# KiCad board JumperlessV5r7.kicad_pcb (continued)
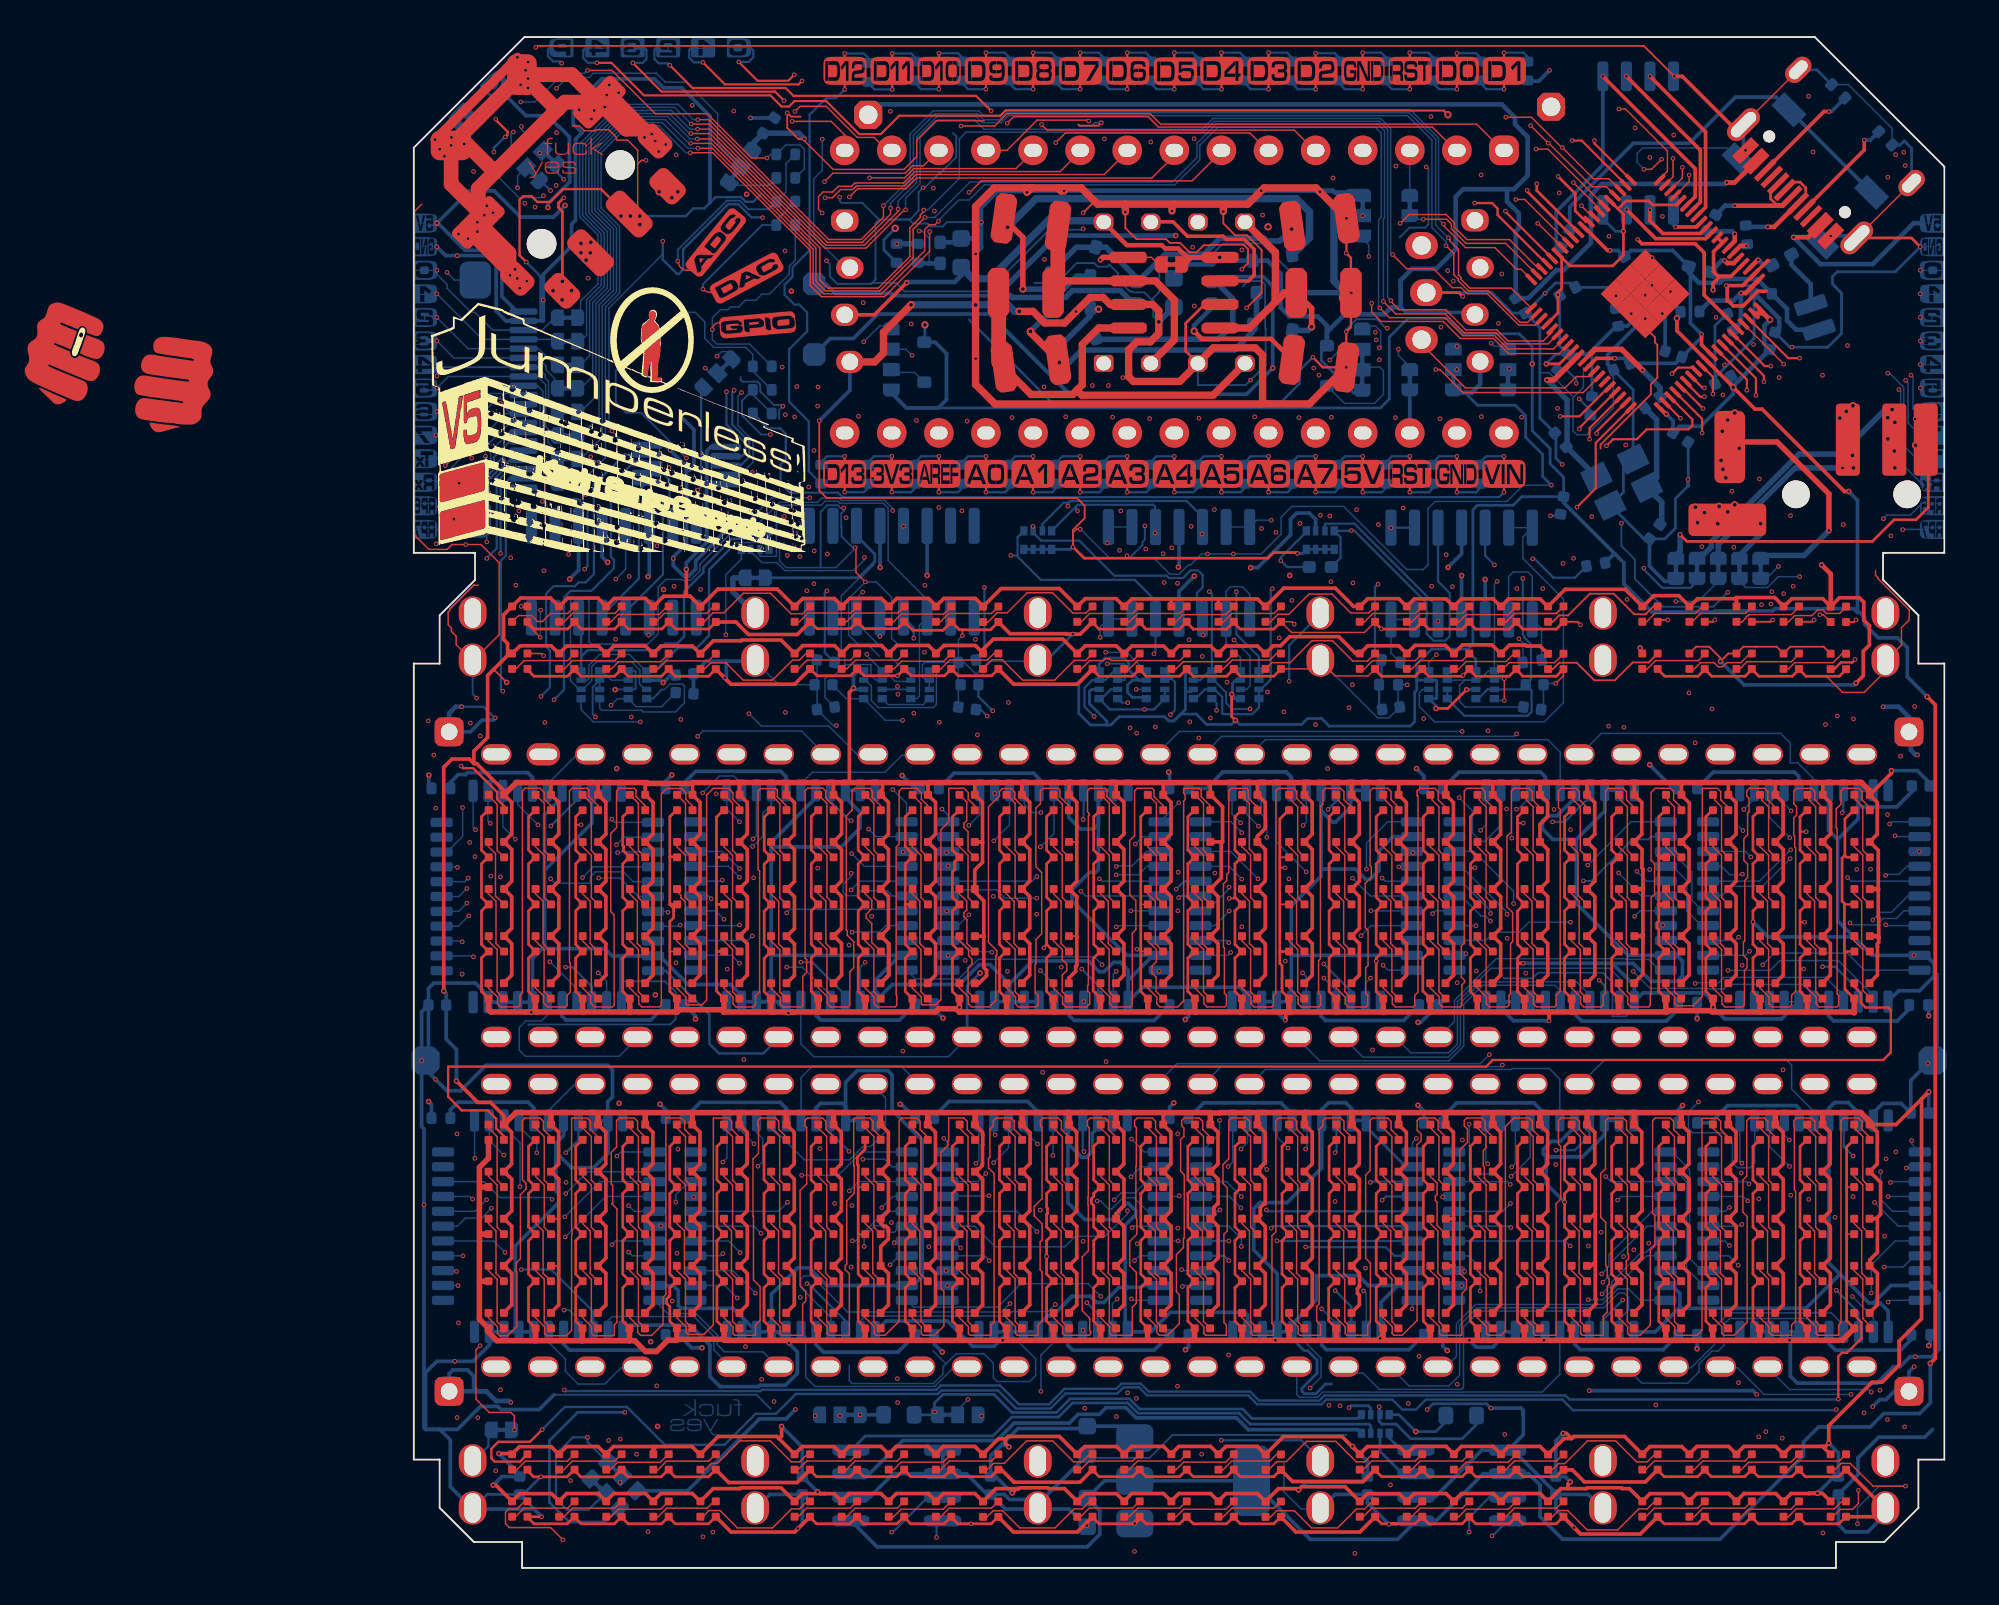
[diagram p0: board, top side]
## Routing (per net, layer and track width the routed paths; a pad name or vN(x,y) marks a point on that pad's centre or on a via; arc(x,y) is an arc through that point) (continued)
+9V: length 297.3
  In1.Cu w0.2: v2(57.79,53.3) 57.13,53.95 v2(55.78,53.95) 55.77,53.94 v2(45.14,53.94) 41.27,53.94 v2(41.24,53.97) 41.22,53.95 v2(25.15,53.95) 25.11,53.91 24.75,53.91 24.64,53.8 15.16,53.8 14.85,53.5 14.57,53.5 14.26,53.8 12.83,53.8 12.41,54.23 v2(10.45,54.23) ; v2(66.66,43.32) 66.66,43.29 66.12,42.76 54.43,42.76 v2(54.08,43.11) 53.73,42.76 40.87,42.76 v2(40.72,42.91) 40.52,42.71 26.36,42.71 v2(26.34,42.73) 26.21,42.6 14.07,42.6 v2(13.92,42.76) 13.79,42.63 11.42,42.63 v2(10.94,43.11) 9.91,42.07 1.49,42.07 v2(0.81,42.75) ; v2(0.8,25.15) 1.02,24.92 10.95,24.92 v2(11.08,25.05) 11.2,24.92 13.21,24.92 v2(13.28,25) 13.34,24.94 26.18,24.94 v2(26.24,25) 26.3,24.94 40.86,24.94 v2(41,25.08) 41.2,24.87 54.09,24.87 v2(54.16,24.95) 54.29,24.82 68.32,24.82 v2(68.43,24.94)
  In1.Cu w0.3: v2(41.1,71.85) 41.21,71.73 45.49,71.73 v3(46.08,72.32)
  In2.Cu w0.2: v2(11.08,25.05) 11.02,25.11 11.02,38.15 11.35,38.48 11.35,42.7 v2(10.94,43.11) 11,43.16 11,47 11.27,47.28 11.27,53.46 10.5,54.23 v2(10.45,54.23) ; v2(45.14,53.94) 45.03,54.04 45.03,62.62 45.92,63.5 45.92,72.17 v3(46.08,72.32)
  Bottom w0.2: R64.1 26.31,25 v2(26.24,25) ; v2(0.8,25.15) 0.95,24.99 R59.1 ; U1807.4 25.15,53.95 v2(25.15,53.95) ; v2(41,25.08) 40.77,24.85 R65.1 ; v2(54.08,43.11) 54.48,42.71 R56.1 ; TP5.1 22.22,69.24 22.73,68.73 25.75,68.73 25.87,68.6 31.43,68.6 31.45,68.62 ; R61.1 54.48,24.63 v2(54.16,24.95) ; R62.1 68.2,24.7 v2(68.43,24.94) ; v2(26.34,42.73) 27.03,42.04 R63.1 ; v2(10.45,54.23) 10.16,54.52 U10.4 ; v2(45.14,53.94) 45.52,53.94 47.29,55.7 47.29,56.55 47.62,56.88 48.3,56.88 48.65,56.54 RN15.6 ; R21.1 0.81,42.18 v2(0.81,42.75) ; v2(13.28,25) 13.59,24.7 R60.1 ; v2(13.92,42.76) 13.59,42.42 R55.1 ; R58.1 67.93,42.04 66.66,43.31 v2(66.66,43.32) ; v2(40.72,42.91) 40.77,42.86 R66.1 ; v2(55.78,53.95) 56.52,54.69 U7.4 ; U11.4 41.28,54 v2(41.24,53.97) ; U7.10 v2(57.79,53.3)
  Bottom w0.25: D7.1 34.74,71.85 v2(41.1,71.85)
  Bottom w0.3: D7.1 34.64,71.81 31.45,68.62 32.16,68.62 32.26,68.51 35.15,68.51 35.53,68.88 38.11,68.88 38.61,68.38 38.83,68.38 JP22.1
+9V_A: length 5.8
  Bottom w0.2: R21.2 1.97,42.36 2.4,42.78 2.79,42.78 2.9,42.88 6.15,42.88 6.4,42.63 A2.38
+9V_B: length 6.9
  Bottom w0.2: B1.38 20.08,42.67 19.79,42.96 15.21,42.96 14.61,42.36 R55.2
+9V_C: length 6.7
  Bottom w0.2: C26.38 61.03,42.66 60.78,42.91 56.38,42.91 R56.2
+9V_D: length 6.7
  Bottom w0.2: 74.7,41.94 74.7,42.68 74.47,42.91 70.09,42.91 R58.2
+9V_E: length 5.9
  Bottom w0.2: E1.38 6.48,24.8 6.16,25.11 2.39,25.11 1.97,24.7 R59.2
+9V_F: length 6.6
  Bottom w0.2: R60.2 15.45,25.1 19.77,25.1 20.09,24.78 F5.38
+9V_G: length 6.7
  Bottom w0.2: G1.38 61.01,24.48 60.41,25.08 56.26,25.08 55.5,24.32 R61.2
+9V_H: length 6.6
  Bottom w0.2: R62.2 69.93,24 70.86,24.93 74.56,24.93 74.72,24.77 H1.38
+9V_I: length 6.5
  Bottom w0.2: R63.2 29.14,42.86 33.43,42.86 33.73,42.55 I1.38
+9V_J: length 6.7
  Bottom w0.2: R64.2 28.07,24.35 28.87,25.15 33.11,25.15 33.68,24.58 J6.38
+9V_K: length 6.5
  Bottom w0.2: R65.2 42.61,25.08 46.77,25.08 47.37,24.48 K1.38
+9V_L: length 6.7
  Bottom w0.2: L1.38 47.33,42.64 47.05,42.92 43.64,42.92 42.76,42.04 R66.2
-9V: length 313.5
  In1.Cu w0.2: v2(81.71,29.77) 69.36,29.77 v2(69.22,29.62) 68.94,29.9 54.64,29.9 v2(54.16,29.42) 53.69,29.9 41.93,29.9 v2(41.61,29.57) 41.3,29.88 28.78,29.88 v2(28.55,29.65) 28.37,29.47 15.32,29.47 v2(15.19,29.6) 13.89,30.9 v2(13.03,30.9) ; v2(12.78,12.2) 12.98,12.4 15.06,12.4 15.55,11.92 v2(15.55,11.87) 15.6,11.87 16.31,12.58 27.57,12.58 v2(28.51,11.64) 28.76,11.89 41.5,11.89 v2(41.62,11.77) 41.77,11.92 55.54,11.92 v2(55.75,11.72) 55.9,11.87 69.17,11.87 v2(69.22,11.82) 69.26,11.87 81.59,11.87 v2(81.71,11.99) ; v2(56.51,53.52) v2(47.24,53.52) 42.13,53.52 v2(42.1,53.48) 42.06,53.52 v2(27.69,53.52) 24.57,53.52 24.57,53.52 24.13,53.52 24.01,53.4 15.15,53.4 14.96,53.21 14.44,53.21 14.25,53.4 12.69,53.4 v2(12.63,53.45)
  In2.Cu w0.2: 13.09,31.4 13.11,31.42 13.11,41.73 13.21,41.83 13.21,44.53 13.11,44.63 13.11,52.98 v2(12.63,53.45) ; 13.09,31.4 13.09,25.44 12.78,25.13 v2(12.78,12.2) ; 13.09,31.4 13.09,30.96 v2(13.03,30.9) 13.04,30.9 ; v2(46.33,64.7) 46.33,64.02 47.29,63.06 47.29,53.56 v2(47.24,53.52)
  Bottom w0.2: JP21.2 43.38,69.63 45.82,69.63 46.33,69.12 v2(46.33,64.7) 44.92,63.29 35.37,63.29 ; v2(41.62,11.77) 41.79,11.93 R76.2 ; R74.2 81.79,12.07 v2(81.71,11.99) ; R77.2 55.5,11.96 v2(55.75,11.72) ; v2(42.1,53.48) 41.28,52.66 U11.11 ; R68.2 28.07,30.13 v2(28.55,29.65) ; U10.6 12.7,53.52 v2(12.63,53.45) ; 35.37,63.29 31.04,67.62 25.03,67.62 23.71,66.3 22.46,66.3 TP6.1 ; 35.37,63.29 31.07,67.59 ; R70.2 81.71,30.32 v2(81.71,29.77) ; R73.2 69.22,11.82 v2(69.22,11.82) ; R69.2 69.22,29.63 v2(69.22,29.62) ; R75.2 41.79,29.75 v2(41.61,29.57) ; v2(15.19,29.6) 15.19,29.77 R67.2 ; U1807.6 v2(27.69,53.52) ; R72.2 28.07,12.08 v2(28.51,11.64) ; R78.2 54.32,29.42 v2(54.16,29.42) ; v2(15.55,11.87) 14.99,11.87 14.61,12.25 R71.2 ; U7.11 v2(56.52,53.52)
  Bottom w0.3: JP21.2 43.33,69.28 44.17,68.44 44.17,67.04 43.39,66.26 36.85,66.26 D4.2 36.65,66.33
-9V_A: length 6.8
  Bottom w0.2: R67.1 12.78,29.54 8.21,29.54 8,29.75 A2.16
-9V_B: length 6.6
  Bottom w0.2: R68.1 26.19,29.54 21.95,29.54 21.68,29.81 B1.16
-9V_C: length 7
  Bottom w0.2: R69.1 68.2,30.13 67.55,29.48 63,29.48 62.63,29.85 C26.16
-9V_D: length 5.7
  Bottom w0.2: R70.1 80.66,30.15 80.01,29.5 76.58,29.5 76.3,29.78 76.3,30.54
-9V_E: length 6.9
  Bottom w0.2: R71.1 13.59,12.16 13.17,11.74 8.41,11.74 8.08,12.07 E1.16
-9V_F: length 6.6
  Bottom w0.2: R72.1 26.11,11.63 22.11,11.63 21.69,12.05 F5.16
-9V_G: length 6.7
  Bottom w0.2: G1.16 62.61,12.07 62.92,11.77 67.39,11.77 R73.1
-9V_H: length 5.7
  Bottom w0.2: H1.16 76.32,12.1 76.68,11.74 80.19,11.74 80.77,12.32 R74.1
-9V_I: length 6.6
  Bottom w0.2: I1.16 35.33,29.8 35.61,29.52 39.93,29.52 R75.1
-9V_J: length 6.7
  Bottom w0.2: J6.16 35.28,12 35.53,11.74 39.93,11.74 R76.1
-9V_K: length 6.7
  Bottom w0.2: R77.1 53.68,11.77 49.23,11.77 48.97,12.02 K1.16
-9V_L: length 6.5
  Bottom w0.2: L1.16 48.93,29.76 49.17,29.52 53.4,29.52 R78.1
GND: length 3652.4
  Top w0.08: 3.48,52.99 3.23,52.99 1.94,51.71 ; v1(47.49,50.89) 47.36,51.02 D1625.3 47.35,50.44 51.27,50.44 D1626.3 ; v1(6.82,50.18) 6.13,50.88 D1611.3 ; 0.43,73.54 0.04,73.15 0.04,55.7 0.81,54.92 1.8,54.92 2.07,55.19 v1(2.8,55.19) 3.62,55.19 4.6,54.21 4.6,50.32 3.18,48.9 2.29,49.78 2.29,50.25 2.03,50.5 2.03,50.68 1.85,50.86 1.85,51.54 1.94,51.63 1.94,51.71 ; 1.94,51.71 3.25,53.02 ; D1650.3 48.48,48.48 48.9,48.9 49.69,48.1 51.47,48.1 D1651.3 ; 58.89,48.08 58.8,48.08 58.8,47.96 v1(58.82,47.95) v1(58.82,46.78) ; 12.08,75.7 12.08,73.02 v3(12.19,72.9) ; 12.08,75.7 12.08,76.45 11.53,76.99 10.97,76.99 10.92,77.05 10.92,77.15 10.52,77.55 9.83,77.55 9.77,77.5 9.2,77.5 8.94,77.76 8.56,77.76 ; 12.08,75.7 12.28,75.9 v1(12.52,75.9) ; v1(24.36,53.17) 23.85,53.68 23.85,54.98 v1(23.81,55.02) ; 30.76,78.04 28.17,78.04 27.13,76.99 27.13,76.11 26.44,75.41 22.62,75.41 21.07,76.97 v1(21.07,77.07) ; 39.21,35.77 39.22,35.78 D1153.3 ; 77.28,20.51 77.31,20.54 D1602.3 ; 23.97,18.03 24,18 D1393.3 ; 23.97,20.51 24,20.54 D1392.3 ; D1154.3 39.23,33.24 39.21,33.26 ; D1603.3 77.3,18 77.28,18.02 ; D1655.3 62.01,48.12 v1(61.59,47.69) ; 76.19,48.08 77.06,47.21 78.22,47.21 79.38,48.36 79.38,48.9 80.24,49.76 80.24,50.71 80.66,51.12 80.66,51.66 78.98,53.33 78.98,53.39 78.84,53.53 78.84,53.78 ; J2.S1 J2.S1 ; v1(66.35,75.42) 66.76,75.42 v1(67.3,75.96) ; D1152.3 39.29,38.32 39.21,38.24 ; D1054.3 13.81,33.24 ; J2.S1 J2.S1 ; v1(29.59,50.27) 29.59,50.59 ; v1(35.55,55.06) 35.55,55.82 35.75,56.02 v1(35.94,56.02) ; D1604.3 77.29,15.46 77.28,15.45
  Top w0.1: v1(46.99,37.75) 46.98,37.76 46.71,37.76 ; v1(6.58,82) 6.65,82.07 66.35,82.07 v1(67.99,80.43) ; 35.84,77.83 35.9,77.77 36.92,77.77 v1(37.08,77.93) ; 34.13,33.63 33.98,33.48 v1(33.98,33.43) ; v1(44.92,67.95) 45.73,68.76 45.73,71.07 44.94,71.86 44.3,71.86 43.66,72.5 v1(43.66,73.14) ; 46.71,38.29 46.73,38.32 D1182.3 ; v1(75.01,34.82) 74.78,34.82 74.77,34.83 ; v1(59.84,40.16) 59.54,40.16 59.53,40.15 ; 20.86,78.26 20.36,78.26 20.15,78.47 v1(20.14,78.47) 20.14,77.66 20.75,77.05 21.05,77.05 v1(21.07,77.07) ; v1(39.02,17.48) 39.18,17.48 39.21,17.51 ; 64.01,60.36 64.01,60.57 66.73,63.29 66.73,63.83 67.07,64.18 67.07,65.96 66.95,66.08 66.95,66.36 66.42,66.89 v1(66.42,67.36) ; v1(21.87,61.86) 21.87,58.1 22.27,57.7 35.76,57.7 36.19,57.27 36.19,56.61 35.55,55.97 v1(35.55,55.06) ; 8.73,40.1 8.76,40.07 v1(9.02,40.07) ; v1(70.17,51.12) 70.07,51.02 D1632.3 ; D1635.3 77.68,51.01 v1(77.79,51.12) ; D1630.3 62.77,51.02 v1(62.93,50.86) ; v1(73.3,51.12) 73.19,51.02 D1633.3 ; v1(43.98,36.1) 44.23,36.1 44.29,36.17 ; 56.99,37.73 57.2,37.73 v1(57.23,37.76) ; v1(36.1,73.08) 36.57,73.54 36.88,73.54 ; v1(75.53,51.12) 75.43,51.02 D1634.3 ; v1(75.1,39.7) 74.77,39.7 ; v1(74.97,32.3) 74.78,32.3 74.77,32.29 ; v1(38.38,73.12) 38.38,72.25 38.97,71.66 40.57,71.66 40.78,71.45 41.34,71.45 41.84,70.94 42.22,70.94 42.61,71.33 42.94,71.33 42.96,71.35 44.76,71.35 44.99,71.12 44.99,70.36 v1(44.66,70.03) ; D1631.3 67.19,51.12 v1(67.63,51.12) ; 39.21,33.38 39.02,33.38 v1(39,33.36) ; 46.71,35.81 46.73,35.78 D1183.3
  Top w0.13: v1(48.49,65.29) 49.03,64.74 C6.1 50.29,64.74 v1(50.29,64.74) v1(50.29,66.66) 50.55,66.91 50.55,70.65 v1(50.29,70.9) 50.31,70.91 v1(50.31,72.78) ; 77.19,35.81 77.21,35.78 D1303.3 ; v1(4.94,77.17) 5.05,77.28 5.05,77.45 4.42,78.09 v1(4.42,78.12) ; 11.05,73.4 10.1,74.35 8.04,74.35 7.35,73.66 6.66,73.66 6.36,73.97 5.9,73.97 5.7,73.77 5.7,70.78 v1(6.07,70.42) ; 77.19,38.42 77.29,38.32 D1302.3 ; 77.19,33.19 77.24,33.24 D1304.3
  Top w0.15: 47.2,30.72 46.83,31.09 46.83,31.28 46.83,31.29 46.83,31.77 46.83,31.78 46.83,32.48 46.71,32.6 46.71,33.21 ; 75.14,40.88 74.77,40.51 74.77,38.71 75.14,38.34 74.77,37.97 74.77,36.17 75.14,35.8 74.77,35.43 74.77,33.63 75.14,33.26 74.77,32.89 74.77,31.09 75.14,30.72 ; 64.98,23.1 64.61,22.73 64.61,20.93 64.98,20.56 64.61,20.19 64.61,18.39 64.98,18.02 64.61,17.65 64.61,15.85 64.98,15.48 64.61,15.11 64.61,13.31 64.98,12.94 ; 62.44,30.72 62.07,31.09 62.07,32.89 62.44,33.26 62.07,33.63 62.07,35.43 62.44,35.8 62.07,36.17 62.07,37.97 62.44,38.34 62.07,38.71 62.07,40.51 62.44,40.88 ; 46.75,2.75 46.38,2.38 44.58,2.38 44.21,2.75 43.84,2.38 42.04,2.38 41.67,2.75 41.3,2.38 39.5,2.38 39.13,2.75 38.76,2.38 36.96,2.38 36.59,2.75 ; 42.12,23.1 41.75,22.73 41.75,20.93 42.12,20.56 41.75,20.19 41.75,18.39 42.12,18.02 41.75,17.65 41.75,15.85 42.12,15.48 41.75,15.11 41.75,13.31 42.12,12.94 ; 16.27,48.45 15.9,48.08 14.1,48.08 13.73,48.45 13.36,48.08 11.56,48.08 11.19,48.45 10.82,48.08 9.02,48.08 8.65,48.45 8.28,48.08 6.48,48.08 6.11,48.45 ; 49.74,12.94 49.34,13.33 49.34,15.08 49.74,15.48 49.37,15.85 49.37,17.65 49.74,18.02 49.37,18.39 49.37,20.19 49.74,20.56 49.37,20.93 49.37,22.73 49.74,23.1 ; 34.5,12.94 34.13,13.31 34.13,15.11 34.5,15.48 34.13,15.85 v1(34.13,16.79) 34.13,17.65 34.5,18.02 34.13,18.39 34.13,19.03 34.14,19.04 34.14,19.07 34.18,19.11 34.18,19.4 34.13,19.45 34.13,20.19 34.5,20.56 34.13,20.93 34.13,22.73 34.5,23.1 ; 24.34,12.94 23.97,13.31 23.97,15.11 24.34,15.48 23.97,15.85 23.97,21.71 23.92,21.76 23.92,22.16 24.34,22.58 24.34,23.1 ; 21.8,12.94 21.43,13.31 21.43,15.11 21.8,15.48 21.43,15.85 21.43,17.65 21.8,18.02 21.43,18.39 21.43,20.19 21.8,20.56 21.43,20.93 21.43,22.73 21.8,23.1 ; 26.51,35.78 26.51,33.63 26.88,33.26 26.51,32.89 26.51,31.09 26.88,30.72 ; 26.51,35.78 D1103.3 ; 26.51,35.78 26.51,37.97 26.88,38.34 26.88,38.53 26.51,38.9 26.51,40.51 26.88,40.88 ; 16.33,35.77 16.34,35.78 D1063.3 ; 16.33,35.77 16.33,33.23 ; 16.33,35.77 16.33,38.31 ; 19.26,23.1 18.89,22.73 18.89,20.93 19.26,20.56 18.89,20.19 18.89,18.39 19.26,18.02 18.89,17.65 18.89,15.85 19.26,15.48 18.89,15.11 18.89,13.31 19.26,12.94 ; 29.42,12.94 29.05,13.31 29.05,15.11 29.42,15.48 29.05,15.85 29.05,17.65 29.42,18.02 29.05,18.39 29.05,20.19 29.42,20.56 29.05,20.93 29.05,22.73 29.42,23.1 ; 72.6,40.88 72.23,40.51 72.23,38.71 72.6,38.34 72.23,37.97 72.23,36.17 72.6,35.8 72.23,35.43 v1(72.23,34.84) 72.23,33.63 72.6,33.26 72.23,32.89 72.23,31.09 72.6,30.72 ; 64.98,30.72 64.61,31.09 64.61,32.89 64.98,33.26 64.61,33.63 64.61,35.43 64.98,35.8 64.61,36.17 64.61,37.97 64.98,38.34 64.61,38.71 64.61,40.51 64.98,40.88 ; 29.42,40.88 29.05,40.51 29.05,38.71 29.42,38.34 29.18,38.09 29.18,37.66 29.05,37.53 29.05,36.17 29.42,35.8 29.05,35.43 29.05,33.63 29.42,33.26 ; 61.99,2.75 61.62,2.38 59.82,2.38 59.45,2.75 59.08,2.38 57.28,2.38 56.91,2.75 56.54,2.38 54.74,2.38 54.37,2.75 54,2.38 52.2,2.38 51.83,2.75 ; 13.81,38.35 13.81,40.51 14.18,40.88 ; 13.81,38.35 14.18,38.35 D1052.3 ; 13.81,38.35 13.81,35.78 ; 16.72,40.88 16.33,40.48 16.33,38.31 ; 9.1,40.88 8.73,40.51 8.73,38.71 9.1,38.34 8.73,37.97 8.73,36.17 9.1,35.8 8.73,35.43 8.73,33.63 9.1,33.26 8.73,32.89 8.73,31.09 9.1,30.72 ; 39.58,40.88 39.21,40.51 39.21,31.09 39.58,30.72 ; 75.14,12.94 74.77,13.31 74.77,15.11 75.14,15.48 74.77,15.85 74.77,17.65 75.14,18.02 74.77,18.39 74.77,20.19 75.14,20.56 74.77,20.93 74.77,22.73 75.14,23.1 ; 77.23,5.29 76.86,4.92 75.06,4.92 74.69,5.29 74.32,4.92 72.52,4.92 72.15,5.29 71.78,4.92 69.98,4.92 69.61,5.29 69.24,4.92 67.44,4.92 67.07,5.29 ; D1064.3 16.34,33.24 16.33,33.23 ; 11.64,23.1 11.27,22.73 11.27,20.93 11.64,20.56 11.27,20.19 11.27,18.39 11.64,18.02 11.27,17.65 11.27,15.85 11.64,15.48 11.27,15.11 11.27,13.31 11.64,12.94 ; 62.44,12.94 62.07,13.31 62.07,15.11 62.44,15.48 62.07,15.85 62.07,17.65 62.44,18.02 62.07,18.39 62.07,20.19 62.44,20.56 62.07,20.93 62.07,22.73 62.44,23.1 ; D1071.3 18.9,40.49 18.9,38.69 D1072.3 18.9,37.95 18.9,36.15 D1073.3 18.9,35.41 18.9,33.61 D1074.3 18.9,32.87 18.9,31.07 D1075.3 ; 31.96,12.94 31.59,13.31 31.59,15.11 31.96,15.48 31.59,15.85 31.59,17.65 31.96,18.02 31.59,18.39 31.59,20.19 31.96,20.56 31.59,20.93 31.59,22.73 31.96,23.1 ; 77.68,40.88 77.19,40.38 77.19,38.42 77.03,38.27 77.03,35.96 77.19,35.81 77.16,35.78 77.16,33.21 77.19,33.19 77.19,31.21 77.68,30.72 ; 46.71,33.21 46.71,40.39 47.2,40.88 ; 46.71,33.21 46.73,33.24 D1184.3 ; 42.12,30.72 41.75,31.09 41.75,32.89 42.12,33.26 41.75,33.63 41.75,35.43 42.12,35.8 41.75,36.17 41.75,37.97 42.12,38.34 41.75,38.71 41.75,40.51 42.12,40.88 ; U5.81 67.78,68.95 v1(67.78,68.83) 67.9,68.71 U5.81 ; 31.96,30.72 31.59,31.09 31.59,32.89 31.96,33.26 31.59,33.63 31.59,35.43 31.96,35.8 31.59,36.17 31.59,37.97 31.96,38.34 31.59,38.71 31.59,40.51 31.96,40.88 ; 16.72,30.72 16.33,31.11 16.33,33.23 ; 44.66,23.1 44.29,22.73 44.29,20.93 44.66,20.56 44.29,20.19 44.29,18.39 44.66,18.02 44.29,17.65 44.29,15.85 44.66,15.48 44.29,15.11 44.29,13.31 44.66,12.94 ; J2.S1 80.78,71.72 v1(81.25,71.24) ; 31.54,51.02 31.11,50.59 29.43,50.59 29,51.02 28.54,50.56 26.92,50.56 26.46,51.02 26.09,50.65 24.29,50.65 23.92,51.02 23.55,50.65 21.75,50.65 21.38,51.02 ; 36.59,48.45 36.96,48.08 38.76,48.08 39.13,48.45 39.5,48.08 41.3,48.08 41.67,48.45 42.04,48.08 43.84,48.08 44.21,48.45 44.58,48.08 46.38,48.08 46.75,48.45 ; 14.18,12.94 13.81,13.31 13.81,14.09 13.64,14.26 13.64,14.51 13.81,14.68 13.81,15.11 14.18,15.48 13.81,15.85 13.81,17.65 14.18,18.02 13.81,18.39 13.81,20.19 14.18,20.56 13.81,20.93 13.81,22.73 14.18,23.1 ; 44.66,40.88 44.29,40.51 44.29,38.71 44.66,38.34 44.29,37.97 44.29,36.17 44.66,35.8 44.29,35.43 44.29,33.63 44.66,33.26 44.29,32.89 44.29,31.09 44.66,30.72 ; 52.28,23.1 51.91,22.73 51.91,20.93 52.28,20.56 51.91,20.19 51.91,18.39 52.28,18.02 51.91,17.65 51.91,15.85 52.28,15.48 51.91,15.11 51.91,13.31 52.28,12.94 ; 16.33,38.31 16.34,38.32 D1062.3 ; 31.54,48.48 31.17,48.11 29.37,48.11 29,48.48 28.63,48.11 26.83,48.11 26.46,48.48 v1(26.09,48.11) 24.29,48.11 23.92,48.48 23.55,48.11 21.75,48.11 21.38,48.48 ; 4.02,30.72 3.65,31.09 3.65,32.89 4.02,33.26 3.65,33.63 3.65,35.43 4.02,35.8 3.65,36.17 3.65,37.97 4.02,38.34 3.65,38.71 3.65,40.51 4.02,40.88 ; 13.81,35.78 14.01,35.58 14.01,35.07 13.81,34.86 13.81,31.09 14.18,30.72 ; 13.81,35.78 D1053.3 ; 46.75,50.99 46.38,50.62 44.58,50.62 44.21,50.99 43.84,50.62 42.04,50.62 41.67,50.99 41.3,50.62 39.5,50.62 39.13,50.99 38.76,50.62 36.96,50.62 36.59,50.99 ; v1(56.58,68.56) 56.36,68.77 J1.2 ; 67.07,2.75 67.44,2.38 69.24,2.38 69.61,2.75 69.98,2.38 71.78,2.38 72.15,2.75 72.52,2.38 74.32,2.38 74.69,2.75 75.06,2.38 76.86,2.38 77.23,2.75 ; 59.9,40.88 59.53,40.51 59.53,38.71 59.9,38.34 59.53,37.97 59.53,36.17 59.9,35.8 59.53,35.43 59.53,33.63 59.9,33.26 59.53,32.89 59.53,31.09 59.9,30.72 ; 77.68,23.1 77.28,22.7 77.28,13.34 77.68,12.94 ; 57.36,40.88 56.99,40.51 56.99,38.71 57.36,38.34 56.99,37.97 56.99,36.17 57.36,35.8 56.99,35.43 56.99,33.63 57.36,33.26 56.99,32.89 56.99,31.09 57.36,30.72 ; 51.83,48.45 52.2,48.08 54,48.08 54.37,48.45 54.74,48.08 56.54,48.08 v1(56.6,48.14) 56.91,48.45 57.28,48.08 59.08,48.08 59.45,48.45 59.82,48.08 61.62,48.08 61.99,48.45 ; v1(35.55,55.06) 36.16,54.45 46.07,54.45 46.37,54.75 47.62,54.75 v1(47.67,54.7) ; 67.52,30.72 67.15,31.09 67.15,32.89 67.52,33.26 67.15,33.63 67.15,34.44 67.06,34.53 67.06,34.78 67.15,34.87 67.15,40.51 67.52,40.88 ; 54.82,23.1 54.45,22.73 54.45,20.93 54.82,20.56 54.45,20.19 54.45,18.39 54.82,18.02 54.45,17.65 54.45,15.85 54.82,15.48 54.45,15.11 54.45,13.31 54.82,12.94 ; 21.81,30.73 21.44,31.1 21.44,32.9 21.81,33.27 21.44,33.64 21.44,35.44 21.81,35.81 21.44,36.18 21.44,37.98 21.81,38.35 21.44,38.72 21.44,40.52 21.81,40.89 ; 16.72,23.1 16.35,22.73 16.35,20.93 16.72,20.56 16.35,20.19 16.35,18.39 16.72,18.02 16.35,17.65 16.35,15.85 16.72,15.48 16.35,15.11 16.35,13.31 16.72,12.94 ; 51.83,50.99 v1(52.18,50.64) 52.2,50.62 54,50.62 54.37,50.99 54.74,50.62 56.54,50.62 56.91,50.99 57.28,50.62 59.08,50.62 59.45,50.99 59.82,50.62 61.62,50.62 61.99,50.99 ; 29.42,30.72 29.05,31.09 29.05,32.86 D1114.3 ; 6.11,2.75 6.48,2.38 8.28,2.38 8.65,2.75 9.02,2.38 10.82,2.38 11.19,2.75 11.56,2.38 13.36,2.38 13.73,2.75 14.1,2.38 15.9,2.38 16.27,2.75 ; 35.2,50.36 35.2,50.36 v1(35.55,50.36) ; 77.26,48.45 76.89,48.08 75.09,48.08 74.72,48.45 74.35,48.08 72.55,48.08 72.18,48.45 71.81,48.08 70.01,48.08 69.64,48.45 69.27,48.08 67.47,48.08 67.1,48.45 ; 34.5,30.72 34.13,31.09 34.13,32.89 34.5,33.26 34.13,33.63 34.13,35.43 34.5,35.8 34.13,36.17 34.13,37.97 34.5,38.34 34.13,38.71 34.13,40.51 34.5,40.88 ; 57.36,23.1 56.99,22.73 56.99,20.93 57.36,20.56 56.99,20.19 56.99,18.39 57.36,18.02 56.99,17.65 56.99,15.85 57.36,15.48 56.99,15.11 56.99,13.31 57.36,12.94 ; 49.74,40.88 49.37,40.51 49.37,38.71 49.74,38.34 49.37,37.97 49.37,36.17 49.74,35.8 49.37,35.43 49.37,33.63 49.74,33.26 49.37,32.89 49.37,31.09 49.74,30.72 ; 70.06,30.72 69.69,31.09 69.69,32.89 70.06,33.26 69.69,33.63 69.69,35.43 70.06,35.8 69.69,36.17 69.69,37.97 70.06,38.34 69.69,38.71 69.69,40.51 70.06,40.88 ; 6.56,30.72 6.19,31.09 6.19,32.89 6.56,33.26 6.19,33.63 6.19,35.43 6.56,35.8 6.19,36.17 6.19,37.97 6.56,38.34 6.19,38.71 6.19,40.51 6.56,40.88 ; 47.2,12.94 46.83,13.31 46.83,15.11 47.2,15.48 46.83,15.85 46.83,17.65 47.2,18.02 46.83,18.39 46.83,20.19 47.2,20.56 46.83,20.93 46.83,22.73 47.2,23.1 ; 36.59,5.29 36.96,4.92 38.76,4.92 39.13,5.29 39.5,4.92 41.3,4.92 41.67,5.29 42.04,4.92 43.84,4.92 44.21,5.29 44.58,4.92 46.38,4.92 46.75,5.29 ; 67.52,12.94 67.15,13.31 67.15,15.11 67.52,15.48 67.15,15.85 67.15,17.65 67.52,18.02 67.15,18.39 67.15,20.19 67.52,20.56 67.15,20.93 67.15,22.73 67.52,23.1 ; 59.9,12.94 59.53,13.31 59.53,15.11 59.9,15.48 59.53,15.85 59.53,17.65 59.9,18.02 59.53,18.39 59.53,20.19 59.9,20.56 59.53,20.93 59.53,22.73 59.9,23.1 ; U1.3 41.63,65.62 41.63,67.11 42.65,68.13 U9.6 ; 21.35,2.75 21.72,2.38 23.52,2.38 23.89,2.75 24.26,2.38 26.06,2.38 26.43,2.75 26.8,2.38 28.6,2.38 28.97,2.75 29.34,2.38 v1(30.06,2.38) 31.14,2.38 31.51,2.75 ; 6.56,12.94 6.19,13.31 6.19,15.11 6.56,15.48 6.19,15.85 6.19,17.65 6.56,18.02 6.19,18.39 6.19,20.19 6.56,20.56 6.19,20.93 6.19,22.73 6.56,23.1 ; 31.51,5.29 31.14,4.92 29.34,4.92 28.97,5.29 28.6,4.92 26.8,4.92 26.43,5.29 26.06,4.92 24.26,4.92 23.89,5.29 23.52,4.92 21.72,4.92 21.35,5.29 ; D1736.3 v1(6.9,2.76) ; 37.04,40.88 36.67,40.51 36.67,38.71 37.04,38.34 36.67,37.97 36.67,36.17 37.04,35.8 36.67,35.43 36.67,33.63 37.04,33.26 36.64,32.86 36.64,31.11 37.04,30.72 ; 37.04,23.1 36.67,22.73 36.67,20.93 37.04,20.56 36.67,20.19 36.67,20.03 36.55,19.91 36.55,19.66 36.67,19.55 36.67,18.39 37.04,18.02 36.67,17.65 36.67,15.85 37.04,15.48 36.67,15.11 36.67,13.31 37.04,12.94 ; 26.88,23.1 26.51,22.73 26.51,20.93 26.88,20.56 26.51,20.19 26.51,18.39 26.88,18.02 26.51,17.65 26.51,15.85 26.88,15.48 26.51,15.11 26.51,13.31 26.88,12.94 ; 39.58,12.94 39.21,13.31 39.21,15.11 39.58,15.48 39.21,15.85 39.21,17.65 39.58,18.02 39.21,18.39 39.21,20.19 39.58,20.56 39.21,20.93 39.21,22.73 39.58,23.1 ; 3.54,13.41 4.02,12.94 ; 16.26,5.28 15.89,4.91 14.09,4.91 13.72,5.28 13.35,4.91 11.55,4.91 11.18,5.28 10.81,4.91 9.01,4.91 8.64,5.28 8.27,4.91 v1(6.85,4.91) 6.47,4.91 6.1,5.28 ; 51.83,5.29 52.2,4.92 54,4.92 54.37,5.29 54.74,4.92 56.54,4.92 56.91,5.29 57.28,4.92 59.08,4.92 59.45,5.29 59.82,4.92 61.62,4.92 61.99,5.29 ; 11.64,40.88 11.27,40.51 11.27,38.99 11.29,38.98 11.29,38.91 11.31,38.89 11.31,38.7 11.29,38.69 11.64,38.34 11.27,37.97 11.27,36.17 11.64,35.8 11.27,35.43 11.27,33.63 11.64,33.26 11.27,32.89 11.27,31.09 11.64,30.72 ; 72.6,23.1 72.23,22.73 72.23,20.93 72.6,20.56 72.23,20.19 72.23,18.39 72.6,18.02 72.23,17.65 72.23,15.85 72.6,15.48 72.23,15.11 72.23,13.31 72.6,12.94 ; 9.1,12.94 8.73,13.31 8.73,15.11 9.1,15.48 8.73,15.85 8.73,17.65 9.1,18.02 8.73,18.39 8.73,20.19 9.1,20.56 8.73,20.93 8.73,22.73 9.1,23.1 ; 52.28,30.72 51.91,31.09 v1(51.91,32.72) 51.91,32.89 52.28,33.26 51.91,33.63 51.91,35.43 52.28,35.8 51.91,36.17 51.91,37.97 52.28,38.34 51.91,38.71 51.91,40.51 52.28,40.88 ; 6.13,51 6.5,50.63 8.3,50.63 8.67,51 9.04,50.63 10.84,50.63 11.21,51 11.58,50.63 13.38,50.63 13.75,51 14.12,50.63 15.92,50.63 16.29,51 ; 24.34,30.72 23.97,31.09 23.97,32.89 24.34,33.26 23.97,33.63 23.97,35.43 24.34,35.8 23.97,36.17 23.97,37.97 24.34,38.34 23.97,38.71 23.97,40.51 24.34,40.88 ; 54.82,40.88 54.45,40.51 54.45,38.71 54.82,38.34 54.45,37.97 54.45,36.17 54.82,35.8 54.45,35.43 54.45,33.63 54.82,33.26 54.42,32.86 54.42,31.11 54.82,30.72 ; 70.06,23.1 69.69,22.73 69.69,20.93 70.06,20.56 69.69,20.19 69.69,18.39 70.06,18.02 69.69,17.65 69.69,15.85 70.06,15.48 69.69,15.11 69.69,13.31 70.06,12.94
  Top w0.2: 36.31,2.46 D1746.3 ; 36.31,2.46 36.31,2.46 v1(36.31,2.28) ; 36.31,2.46 35.78,1.94 32.34,1.94 D1745.3 ; 62.88,1.89 62.86,1.89 v1(62.58,2.18) ; 62.88,1.89 D1755.3 ; 62.88,1.89 62.94,1.83 66.16,1.83 D1756.3 ; D1730.3 62.49,5.29 63.14,4.64 66.42,4.64 D1731.3 ; v1(66.79,70.65) 66.77,70.65 U5.81 ; D1751.3 51.03,1.94 47.58,1.94 D1750.3 ; v1(61.23,29.51) 61.23,29.93 61.18,29.98 ; v1(64.84,68.6) 64.84,68.69 U5.81 ; 16.95,47.81 16.78,47.98 v1(16.78,48) ; 16.95,47.81 D1640.3 ; 16.95,47.81 17.1,47.66 20.54,47.66 D1641.3 ; U5.81 65.66,67.87 v1(65.66,67.64) ; D1740.3 17.11,1.94 20.54,1.94 D1741.3 ; D1720.3 31.69,5.3 32.37,4.62 35.93,4.62 D1721.3 ; D1747.3 39.15,2.66 v1(38.89,2.4) ; D1615.3 17.38,51.01 18.05,50.33 20.68,50.33 D1616.3 ; D1620.3 32.16,50.38 35.18,50.38 35.2,50.36 35.95,50.36 D1621.3 ; 6.06,29.98 6.32,29.98 v1(6.34,29.96) ; D1726.3 51.21,4.66 47.4,4.66 D1725.3 ; U5.81 66.88,69.17 v1(66.78,69.17) ; 20.51,29.98 20.45,29.91 v1(20.21,29.91) ; v1(59.83,32.61) 59.56,32.61 ; U5.81 v1(66.42,68.63) ; D1716.3 20.67,4.6 16.99,4.6 D1715.3 ; J2.S1 71.02,77.83 68.42,80.43 v1(67.99,80.43) ; D1760.3 78.96,2.76 79.38,3.18 D1735.3 ; U5.81 67.22,67.76 v1(67.34,67.64) ; 47.03,29.98 47.03,29.56 v1(47.01,29.53) ; 73.08,70.49 73.03,70.49 72.3,69.77 U5.62 71.67,69.15 v1(70.79,69.15) 70.84,69.1 70.84,68.31 70.92,68.31 71.17,68.05 71.7,68.05 72.5,68.85 72.94,68.85 ; 53.03,2.38 52.62,2.38 v1(52.59,2.35) ; U5.81 v1(66.42,67.36) ; D1646.3 35.78,47.66 32.36,47.66 D1645.3
  Top w0.25: D1262.3 67.23,38.32 67.15,38.4 ; D1263.3 67.15,35.78
  Top w0.3: D1365.3 16.73,12.29 16.75,12.28 ; 37.09,29.98 34.53,29.98 ; 37.09,29.98 39.68,29.98 ; 37.09,29.98 37.04,30.04 D1145.3 ; 34.53,29.98 31.99,29.98 ; 34.53,29.98 34.5,30.01 D1135.3 ; 6.61,29.98 6.56,30.04 D1025.3 ; 6.61,29.98 4.15,29.98 4.03,30.1 D1015.3 ; 6.61,29.98 9.15,29.98 ; 72.63,29.98 72.61,30 D1285.3 ; 72.63,29.98 75.07,29.98 ; 72.63,29.98 70.04,29.98 ; 31.96,12.28 v1(31.77,12.28) 29.47,12.28 ; 31.96,12.28 34.55,12.28 ; 31.96,12.28 31.97,12.28 D1425.3 ; 16.72,29.98 16.6,30.1 14.33,30.1 14.21,29.98 ; 16.72,29.98 16.73,29.99 D1065.3 ; 16.72,29.98 19.34,29.98 ; 9.08,12.25 9.1,12.27 D1335.3 ; 9.08,12.25 6.56,12.25 ; 9.08,12.25 11.62,12.25 ; 49.77,12.28 47.2,12.28 ; 49.77,12.28 52.02,12.28 v1(52.12,12.38) 52.22,12.28 52.28,12.28 ; 49.77,12.28 49.75,12.29 D1495.3 ; 47.2,12.28 v1(46.47,12.28) 44.66,12.28 ; 47.2,12.28 47.21,12.28 D1485.3 ; D1165.3 42.13,30.02 42.17,29.98 ; 11.67,29.98 9.15,29.98 ; 11.67,29.98 11.65,30 D1045.3 ; 11.67,29.98 14.21,29.98 ; 9.15,29.98 9.11,30.02 D1035.3 ; 57.36,12.28 54.9,12.28 ; 57.36,12.28 59.88,12.28 ; 57.36,12.28 57.37,12.28 D1525.3 ; 54.9,12.28 52.28,12.28 ; 54.9,12.28 54.83,12.34 D1515.3 ; 47.23,29.98 44.61,29.98 ; 47.23,29.98 49.79,29.98 ; 47.23,29.98 47.2,30.01 D1185.3 ; 64.98,29.98 64.99,29.99 D1255.3 ; 64.98,29.98 67.6,29.98 ; 64.98,29.98 62.44,29.98 ; D1175.3 44.66,30.03 44.61,29.98 ; 49.79,29.98 49.75,30.02 D1195.3 ; 49.79,29.98 52.31,29.98 ; D1325.3 6.57,12.26 6.56,12.25 ; 59.9,29.98 57.39,29.98 ; 59.9,29.98 59.91,29.99 D1235.3 ; 59.9,29.98 62.44,29.98 ; 57.39,29.98 57.36,30.01 D1225.3 ; 57.39,29.98 54.85,29.98 ; 31.99,29.98 31.97,30 D1125.3 ; 31.99,29.98 29.42,29.98 ; D1205.3 52.29,30 52.31,29.98 ; 65.03,12.28 64.99,12.32 D1555.3 ; 65.03,12.28 67.5,12.28 ; 65.03,12.28 62.57,12.28 ; 3.54,18.09 3.64,18 D1313.3 ; 67.6,29.98 67.67,30.05 69.97,30.05 70.04,29.98 ; 67.6,29.98 67.53,30.05 D1265.3 ; D1405.3 26.89,12.29 26.91,12.28 ; 59.88,12.28 59.9,12.3 D1535.3 ; 59.88,12.28 v1(60.95,12.28) 62.57,12.28 ; 26.86,29.98 24.39,29.98 ; 26.86,29.98 26.89,30.01 D1105.3 ; 26.86,29.98 28.14,29.98 28.31,30.15 29.25,30.15 29.42,29.98 ; 24.39,29.98 24.35,30.02 D1095.3 ; 24.39,29.98 21.84,29.98 ; D1545.3 62.44,12.41 62.57,12.28 ; 42.12,12.28 39.58,12.28 ; 42.12,12.28 44.66,12.28 ; 42.12,12.28 42.12,12.28 D1465.3 ; 39.58,12.28 37.04,12.28 ; 39.58,12.28 39.58,12.28 D1455.3 ; D1075.3 19.27,30.05 19.34,29.98 ; 44.66,12.28 44.67,12.28 D1475.3 ; 16.75,12.28 16.7,12.33 14.23,12.33 14.18,12.28 ; 16.75,12.28 19.29,12.28 ; 54.85,29.98 54.82,30.01 D1215.3 ; 54.85,29.98 52.31,29.98 ; D1415.3 29.43,12.32 29.47,12.28 ; 14.18,12.28 14.19,12.28 D1355.3 ; 14.18,12.28 13.7,12.28 13.09,11.67 12.51,11.67 11.92,12.25 11.62,12.25 ; 39.68,29.98 39.59,30.07 D1155.3 ; 39.68,29.98 42.17,29.98 ; 19.29,12.28 21.8,12.28 ; 19.29,12.28 19.26,12.31 D1375.3 ; 52.28,12.28 52.28,12.28 D1505.3 ; D1115.3 v1(29.43,30.23) 29.43,29.99 29.42,29.98 ; D1245.3 62.45,29.99 62.44,29.98 ; 26.91,12.28 24.37,12.28 ; 26.91,12.28 29.47,12.28 ; 24.37,12.28 24.35,12.29 D1395.3 ; 24.37,12.28 21.8,12.28 ; 37.04,12.28 34.55,12.28 ; 37.04,12.28 37.05,12.28 D1445.3 ; 34.55,12.28 34.51,12.32 D1435.3 ; 75.14,12.28 75.15,12.28 D1595.3 ; 75.14,12.28 72.65,12.28 ; 75.14,12.28 77.05,12.28 D1605.3 ; 19.34,29.98 21.84,29.98 ; D1085.3 21.81,30.01 21.84,29.98 ; 11.62,12.25 11.64,12.27 D1345.3 ; 42.17,29.98 44.61,29.98 ; 72.65,12.28 72.6,12.33 D1585.3 ; 72.65,12.28 70.14,12.28 ; 67.5,12.28 67.53,12.31 D1565.3 ; 67.5,12.28 70.14,12.28 ; 6.56,12.25 4.48,12.25 4.03,12.71 D1315.3 3.54,13.41 3.54,21.6 4.03,22.09 D1311.3 ; 21.8,12.28 21.8,12.7 21.8,12.71 D1385.3 ; 14.21,29.98 14.19,30 D1055.3 ; D1312.3 3.66,20.54 ; 75.07,29.98 77.65,29.98 77.69,29.94 D1305.3 ; 75.07,29.98 75.15,30.06 D1295.3 ; 70.14,12.28 70.06,12.36 D1575.3 ; D1275.3 70.07,30.24 v1(70.08,30.23) 70.08,30.02 70.04,29.98 ; SW3.3 11.68,72.94 v3(11.68,72.9) ; 3.54,15.45 3.55,15.46 D1314.3 ; v3(40.18,67.19) 40.18,67.55